# Allegro board F407_PACK_V10A.brd (continued)
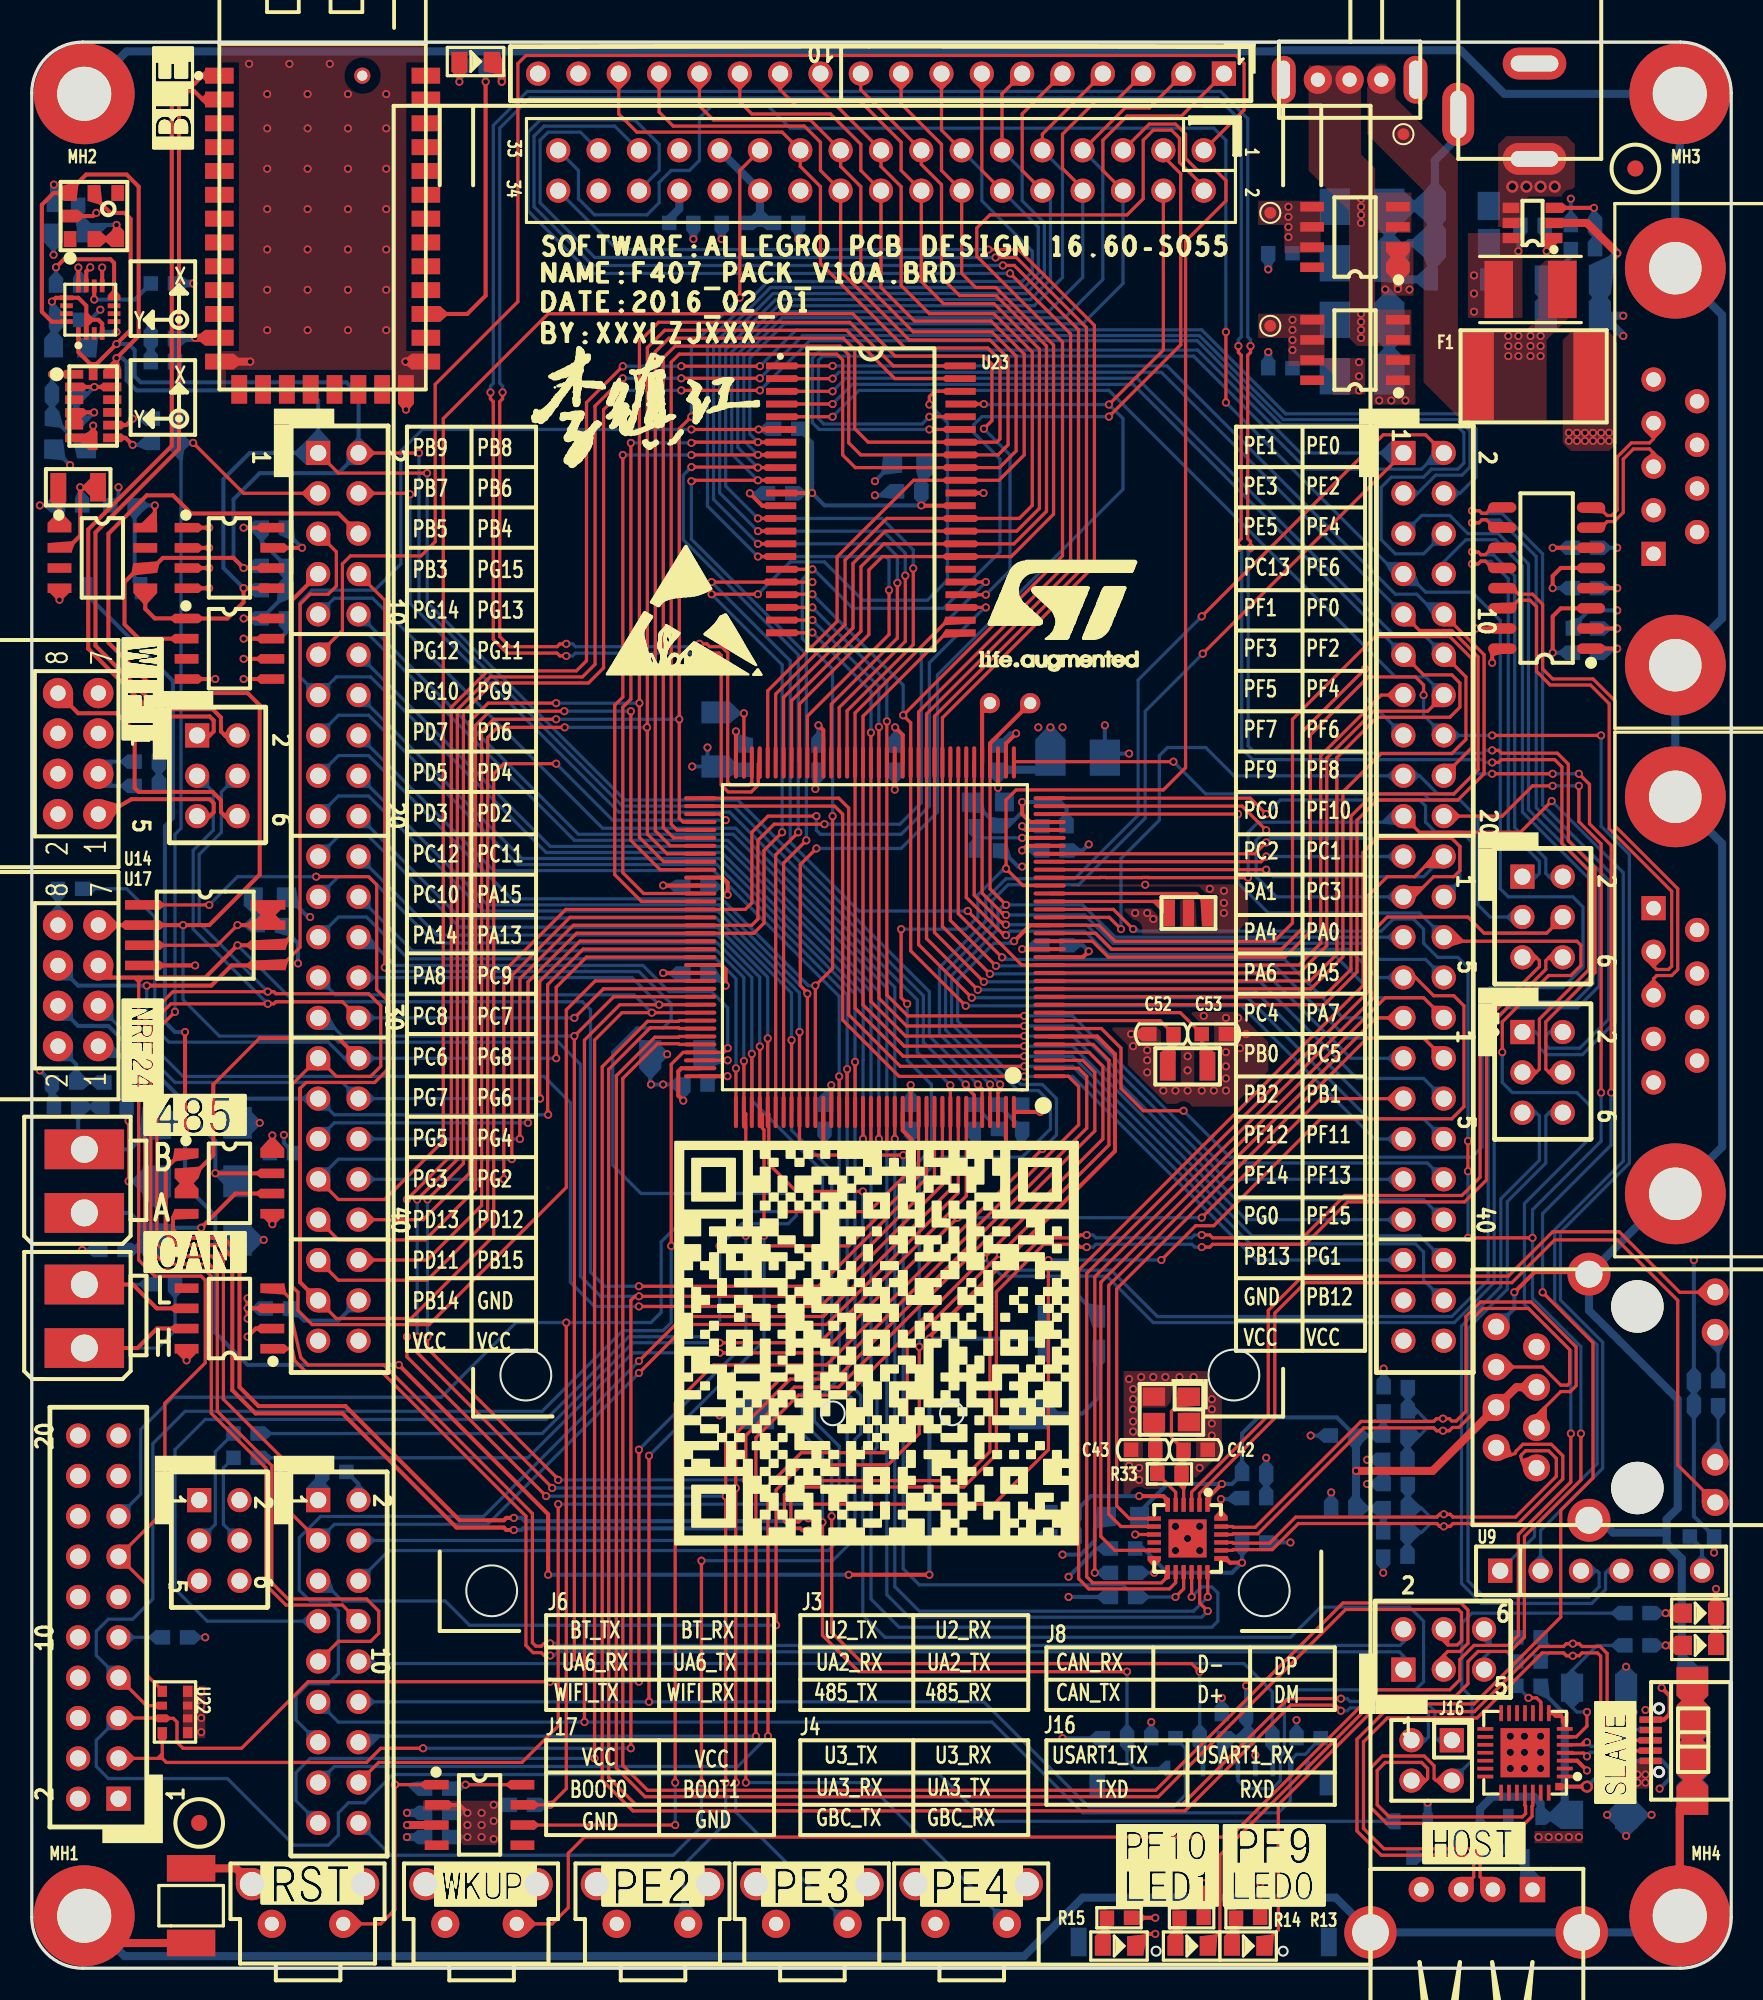
[diagram p0: board, top side]
## Routing (per net, layer and track width the routed paths; a pad name or vN(x,y) marks a point on that pad's centre or on a via; arc(x,y) is an arc through that point) (continued)
DCMI_D5: length 132.4
  TOP w0.203: J12.4 23.87,92.84 23.81,92.78 v1(23.81,92.77) ; v1(38.23,38.22) 41.03,41.02 49.84,41.02 57.84,49.02 v1(57.84,55.58)
  BOTTOM w0.203: v1(57.84,55.58) 55.75,57.66 55.75,60.96 43.94,72.77 36.96,72.77 23.81,85.92 v1(23.81,92.77) ; J14.13 16.64,15.62 16.64,17.14 17.4,17.91 18.67,17.91 19.3,18.54 19.3,22.48 18.67,23.11 17.53,23.11 16.84,23.8 16.84,27.1 18.18,28.44 28.45,28.44 v1(38.23,38.22)
DCMI_D6: length 178.8
  TOP w0.203: v1(45.59,14.61) 45.59,33.4 48.26,36.07 51.31,36.07 v1(59.94,44.7) 67.44,52.2 67.44,56.77 66.56,57.65 U21.4
  BOTTOM w0.203: v1(45.59,14.61) 20.95,14.61 J14.14 ; J10.5 87.5,91.44 89.28,91.44 90.42,90.3 92.33,90.3 94.23,88.39 94.23,72.93 98.68,68.48 98.68,61.82 97.31,60.45 92.87,60.45 92.08,59.66 92.08,43.15 89.57,40.64 70.61,40.64 67.69,43.56 61.09,43.56 v1(59.94,44.7)
DCMI_D7: length 180.6
  TOP w0.203: v1(46.35,14.61) 46.35,30.35 48.45,32.45 53.66,32.45 55.12,33.91 55.12,39.12 v1(60.96,44.96) 67.82,51.82 67.82,57.15 66.82,58.15 U21.5
  BOTTOM w0.203: J14.15 19.05,12.7 44.45,12.7 v1(46.35,14.61) ; J10.8 88.9,88.52 90.3,89.92 92.17,89.92 93.85,88.23 93.85,72.77 98.3,68.33 98.3,61.98 97.16,60.83 92.71,60.83 91.69,59.82 91.69,43.31 89.41,41.02 70.87,41.02 67.94,43.94 61.98,43.94 v1(60.96,44.96)
DCMI_HREF: length 133.5
  TOP w0.203: U21.40 60.34,67.93 v1(61.34,66.93) ; v1(55.88,39.12) 55.88,33.66 53.91,31.69 48.45,31.69 46.86,30.1 v1(46.86,21.59)
  TOP w0.254: J18.1 60.34,77.1 U21.40
  BOTTOM w0.203: v1(46.86,21.59) 27.56,21.59 26.04,23.11 19.56,23.11 18.29,24.38 J14.5 ; 86.36,64.9 68.2,64.9 66.17,66.93 v1(61.34,66.93) 61.21,66.93 60.83,66.55 60.83,65.41 57.91,62.48 57.91,59.44 62.1,55.24 63.37,55.24 64.14,54.48 64.14,52.83 62.81,51.51 62.81,51.5 62.55,51.23 62.53,51.23 62.36,51.05 57.28,51.05 55.88,49.66 v1(55.88,39.12)
DCMI_PCLK: length 150.8
  TOP w0.203: v1(33.15,29.21) 33.15,15.24 30.86,12.95 21.84,12.95 J14.16 ; v1(64.01,44.58) 64.01,32.64 60.58,29.21 v1(48.9,29.21) ; v1(71.12,44.58) 73.28,46.74 74.42,46.74 81.15,53.47 89.41,53.47 90.17,54.23 90.17,60.58 89.53,61.21 88.27,61.21 87.12,62.36 J10.27 ; v1(61.34,65.68) 61.19,65.68 59.34,67.54 U21.42
  BOTTOM w0.203: v1(61.34,65.68) 66.4,65.68 67.94,64.14 82.93,64.14 84.71,62.36 J10.27 ; v1(33.15,29.21) v1(48.9,29.21) ; v1(64.01,44.58) v1(71.12,44.58)
DCMI_PWDN: length 126.9
  TOP w0.203: v1(42.16,11.68) v1(42.16,25.65) ; 51.84,53.9 v1(51.84,57.05)
  BOTTOM w0.203: J12.14 30.86,69.85 43.31,69.85 51.84,61.32 v1(51.84,57.05) 51.84,36.43 52.2,36.07 52.2,33.66 51.84,33.29 51.84,27.07 50.42,25.65 v1(42.16,25.65) ; v1(42.16,11.68) 42.16,8.89 40.39,7.11 22.61,7.11 J14.18
DCMI_RESET: length 155.4
  TOP w0.203: v1(43.31,45.47) 51.44,45.47 55.84,49.87 55.84,53.9 ; J12.8 22.23,86.11 v1(22.23,62.99)
  BOTTOM w0.203: v1(22.23,62.99) 22.48,62.74 38.23,62.74 40.26,60.71 40.26,59.69 39.75,59.18 38.1,59.18 36.58,57.66 36.58,50.55 38.35,48.77 47.62,48.77 48.13,48.26 48.13,47.37 47.62,46.86 44.7,46.86 v1(43.31,45.47) 43.31,40.77 42.29,39.75 37.59,39.75 32.38,34.54 10.92,34.54 9.02,32.64 9.02,23.88 11.05,21.84 J14.7
DCMI_SCL: length 104.7
  TOP w0.203: 50.84,53.9 v1(50.84,56.13)
  BOTTOM w0.203: J12.16 29.08,69.09 42.93,69.09 43.99,68.02 44,68.02 44.27,67.75 44.27,67.74 50.84,61.18 v1(50.84,56.13) 50.84,37.12 49.28,35.56 49.28,34.42 50.84,32.86 50.84,27.69 50.07,26.92 J14.4
DCMI_SDA: length 109.9
  TOP w0.203: 51.34,53.9 v1(51.34,56.59)
  BOTTOM w0.203: J14.6 22.48,26.29 50.15,26.29 51.34,27.48 51.34,33.68 51.69,34.04 51.69,35.81 51.34,36.17 v1(51.34,56.59) 51.34,61.26 43.13,69.47 30.61,69.47 21.21,78.87 19.3,78.87 J12.15
DCMI_XCLK: length 97.4
  TOP w0.203: v1(35.43,13.21) 35.43,58.42 37.16,60.15 v1(39.04,60.15) U21.100
  BOTTOM w0.203: v1(39.04,60.15) 37.92,61.26 19.13,61.26 J12.27 ; J14.17 16.64,10.54 16.64,12.32 17.53,13.21 v1(35.43,13.21)
ETH_MDC: length 87.2
  TOP w0.203: J10.22 88.34,69.98 87.07,68.71 85.34,68.71 84.2,67.56 84.2,61.51 66.42,43.73 66.42,24.64 66.8,24.26 71.12,24.26 71.52,24.66 71.52,24.95 ; U21.27 v1(77.72,69.15)
  BOTTOM w0.203: v1(77.72,69.15) 78.16,68.71 87.63,68.71 J10.22
ETH_MDIO: length 102.3
  TOP w0.203: U21.36 76.72,73.65 v1(77.72,72.64) ; 96.39,66.17 95.38,65.15 91.44,65.15 90.42,66.17 85.34,66.17 84.58,65.41 84.58,61.17 66.93,43.52 v1(66.93,24.89)
  BOTTOM w0.203: R37.2 v1(66.93,24.89) ; 96.39,66.17 95.38,65.15 91.44,65.15 90.68,65.91 90.68,70.87 90.04,71.5 88.39,71.5 87.76,72.14 87.76,73.15 87.38,73.53 78.61,73.53 v1(77.72,72.64)
ETH_RST: length 98
  TOP w0.203: 72.52,24.95 72.52,23.88 v1(72.01,23.37) ; v1(54.86,51.18) 49.02,51.18 48.34,51.87 v1(48.34,58.93)
  BOTTOM w0.203: v1(48.34,58.93) 48.34,61.39 43.18,66.55 28.45,66.55 21.21,73.79 19.3,73.79 J12.19 ; v1(72.01,23.37) R36.1 68.71,24.13 55.88,24.13 54.86,25.15 v1(54.86,51.18)
FSMC_A0: length 98.3
  TOP w0.203: J10.10 91.44,82.68 91.44,75.18 89.79,73.53 84.71,73.53 83.44,72.26 83.44,62.71 81.38,60.65 U21.10 ; U23.1 v1(50.42,100.86)
  BOTTOM w0.203: v1(50.42,100.86) 71.48,100.86 85.85,86.49 87.2,86.49 88.47,85.22 J10.10
FSMC_A1: length 97.1
  TOP w0.203: U23.2 v1(50.42,100.06) ; J10.9 87.38,84.2 89.41,84.2 91.06,82.55 91.06,75.44 89.53,73.91 84.45,73.91 83.06,72.52 83.06,62.87 81.34,61.15 U21.11
  BOTTOM w0.203: v1(50.42,100.06) 50.82,100.46 71.12,100.46 J10.9
FSMC_A2: length 94
  TOP w0.203: U21.12 80.54,61.65 82.55,63.66 82.55,74.04 84.96,76.45 89.41,76.45 90.3,77.34 90.3,81.28 J10.12 ; U23.3 v1(50.42,99.26)
  BOTTOM w0.203: J10.12 87.63,83.95 85.72,83.95 69.6,100.08 51.24,100.08 v1(50.42,99.26)
FSMC_A3: length 92.8
  TOP w0.203: J10.11 87.63,81.41 89.41,81.41 89.92,80.9 89.92,79.38 89.28,78.74 84.71,78.74 82.17,76.2 82.17,63.82 80.5,62.15 U21.13 ; U23.4 v1(50.42,98.46)
  BOTTOM w0.203: J10.11 69.34,99.69 51.66,99.69 v1(50.42,98.46)
FSMC_A4: length 89.3
  TOP w0.203: U21.14 79.82,62.65 81.53,64.36 81.53,76.17 84.49,79.12 87.88,79.12 J10.14 ; U23.5 v1(50.42,97.66)
  BOTTOM w0.203: v1(50.42,97.66) 52.08,99.31 67.82,99.31 85.85,81.28 87.76,81.28 J10.14
FSMC_A5: length 80.6
  TOP w0.203: v1(58.93,66.55) 62.33,63.15 U21.15 79.78,63.15 81.15,64.52 81.15,76.33 84.96,80.14 J10.13 ; v1(49.15,87.25) 47.19,87.25 U23.18 47.17,87.25 v1(42.8,87.25)
  BOTTOM w0.203: v1(58.93,66.55) 52.07,66.55 47.75,70.87 47.75,82.3 v1(42.8,87.25)
FSMC_A6: length 121.6
  TOP w0.203: J15.2 73.79,112.14 72.26,113.67 72.26,115.19 71.75,115.7 70.61,115.7 69.98,115.06 69.98,111.38 68.96,110.36 60.33,110.36 59.5,109.54 59.5,107.76 64.9,102.36 64.9,88.9 v1(54.86,78.87) 55.34,78.39 U21.50 55.34,64.04 v1(58.8,60.58) ; U23.19 47.21,86.49 v1(49.15,86.49)
  BOTTOM w0.203: J10.35 84.55,52.2 76.16,60.58 v1(58.8,60.58) ; v1(49.15,86.49) 54.86,80.77 v1(54.86,78.87)
FSMC_A7: length 68.2
  TOP w0.203: v1(53.84,78.49) U21.53 53.84,61.26 55.15,59.94 v1(62.48,59.94) ; v1(49.15,85.66) U23.20
  BOTTOM w0.203: v1(62.48,59.94) 65.53,59.94 74.79,50.69 87.87,50.69 J10.38 ; v1(49.15,85.66) 53.84,80.97 v1(53.84,78.49)
FSMC_A8: length 65.2
  TOP w0.203: v1(62.48,59.31) 55.08,59.31 53.34,61.05 U21.54 v1(53.34,78.13) ; v1(49.15,84.86) U23.21
  BOTTOM w0.203: v1(62.48,59.31) 65.53,59.31 75.18,49.66 J10.37 ; v1(49.15,84.86) 53.34,80.67 v1(53.34,78.13)
FSMC_A9: length 68.5
  TOP w0.203: U23.22 49.13,84.06 v1(49.15,84.07) ; v1(52.84,77.77) U21.55 52.84,60.85 55.01,58.67 v1(62.48,58.67)
  BOTTOM w0.203: v1(49.15,84.07) 52.84,80.39 v1(52.84,77.77) ; v1(62.48,58.67) 65.53,58.67 75.82,48.39 87.63,48.39 J10.40
FSMC_A10: length 66.1
  TOP w0.203: U23.23 57.59,84.06 52.34,78.81 U21.56 52.34,60.64 54.94,58.04 v1(62.48,58.04)
  BOTTOM w0.203: v1(62.48,58.04) 65.53,58.04 76.45,47.12 J10.39
FSMC_A11: length 71.3
  TOP w0.203: v1(62.48,57.4) 54.86,57.4 51.84,60.43 U21.57 51.84,79.01 57.68,84.86 U23.24
  BOTTOM w0.203: v1(62.48,57.4) 65.53,57.4 76.83,46.1 87.38,46.1 J10.42
FSMC_A12: length 73
  TOP w0.203: v1(49.4,72.52) 46.35,72.52 45.34,71.5 45.34,67.06 44.93,66.65 U21.87 33.63,66.65 29.72,62.74 v1(29.72,49.66) ; U23.25 v1(60.07,85.66)
  BOTTOM w0.203: v1(60.07,85.66) 60,85.66 56.52,82.17 56.52,73.15 54.74,71.37 49.66,71.37 49.4,71.63 v1(49.4,72.52) ; v1(29.72,49.66) J12.38
FSMC_A13: length 149.3
  TOP w0.203: J12.37 19.3,48.39 22.23,48.39 25.91,52.07 25.91,97.54 32.51,104.14 51.69,104.14 54.36,101.47 59.94,101.47 60.45,100.97 60.45,97.41 v1(59.94,96.9) ; v1(30.23,50.93) 30.23,62.48 33.89,66.15 U21.88 ; U23.26 v1(60.07,86.46)
  BOTTOM w0.203: J12.37 19.3,50.93 v1(30.23,50.93) ; v1(60.07,86.46) 61.59,87.98 61.59,95.25 v1(59.94,96.9)
FSMC_A14: length 70.2
  TOP w0.203: v1(49.91,72.01) 46.74,72.01 45.72,70.99 45.72,66.04 45.33,65.65 U21.89 34.1,65.65 30.73,62.28 v1(30.73,52.2) ; U23.27 v1(60.07,87.26)
  BOTTOM w0.203: v1(30.73,52.2) J12.36 ; v1(49.91,72.01) 54.65,72.01 56.01,73.36 56.01,83.19 v1(60.07,87.26)
FSMC_A15: length 93.3
  TOP w0.203: U23.42 56.84,99.26 56.52,98.93 v1(56.52,98.42) ; v1(45.72,86.49) v1(42.8,86.49) ; v1(47.24,71.5) 46.1,70.36 46.1,65.79 45.46,65.15 U21.90 34.3,65.15 31.24,62.09 v1(31.24,53.21)
  BOTTOM w0.203: v1(42.8,86.49) 47.24,82.04 v1(47.24,71.5) ; v1(45.72,86.49) 47.75,88.52 49.91,88.52 52.32,86.11 56.39,86.11 57.66,87.38 57.66,97.28 v1(56.52,98.42) ; J12.35 19.05,53.21 v1(31.24,53.21)
FSMC_A16: length 109.3
  TOP w0.203: v1(33.55,78.11) 29.34,78.11 28.7,77.47 28.7,47.12 24.89,43.31 19.3,43.31 J12.41 ; U21.80 40,70.15 38.76,71.39 38.76,78.08 v1(38.73,78.11) 38.76,78.13 38.76,102 39.85,103.1 51.29,103.1 54.34,100.06 U23.43
  BOTTOM w0.203: v1(33.55,78.11) v1(38.73,78.11)
FSMC_A17: length 105.3
  TOP w0.203: U21.81 39.79,69.65 38.26,71.18 v1(38.26,79.63) 38.26,102.39 39.47,103.6 51.5,103.6 54.25,100.86 U23.44 ; v1(33.02,79.63) 28.73,79.63 27.56,78.46 27.56,50.04 24.64,47.12 J12.40
  BOTTOM w0.203: v1(38.26,79.63) v1(33.02,79.63)
FSMC_A18: length 64.4
  TOP w0.203: v1(37.72,79.12) 37.72,70.99 39.56,69.15 U21.82 ; v1(33.53,79.12) 28.83,79.12 27.94,78.23 27.94,49.02 24.77,45.85 19.3,45.85 J12.39
  BOTTOM w0.203: v1(33.53,79.12) v1(37.72,79.12)
FSMC_D0: length 92
  TOP w0.203: J13.1 72.39,116.59 68.96,116.59 67.44,115.06 67.44,113.16 J15.6 ; v1(37.72,96.01) 37.72,79.88 37.21,79.37 37.21,68.96 38.52,67.65 U21.85 ; U23.7 v1(45.72,96.06) 41.57,96.06 v1(41.53,96.01)
  BOTTOM w0.203: J15.6 68.71,106.05 66.17,103.5 47.37,103.5 45.21,101.35 45.21,96.56 v1(45.72,96.06) ; v1(37.72,96.01) v1(41.53,96.01)
FSMC_D1: length 90.9
  TOP w0.203: J13.2 70.36,117.09 68.83,117.09 J15.7 ; v1(41.53,95.25) 41.53,95.26 v1(45.72,95.26) U23.8 ; U21.86 38.39,67.15 36.7,68.83 36.7,79.5 37.21,80.01 v1(37.21,95.25)
  BOTTOM w0.203: J15.7 67.44,113.16 67.44,106.3 65.02,103.89 47.24,103.89 44.83,101.47 44.83,96.14 v1(45.72,95.26) ; v1(37.21,95.25) v1(41.53,95.25)
FSMC_D2: length 97.6
  TOP w0.203: J15.8 66.17,112.01 64.9,113.28 64.9,115.44 67.06,117.6 68.33,117.6 J13.3 ; v1(41.53,94.49) 45.69,94.49 v1(45.72,94.46) U23.9 ; v1(48.26,71.5) 46.84,70.08 46.84,53.9
  BOTTOM w0.203: v1(48.26,71.5) 48.26,82.68 41.02,89.92 41.02,93.98 v1(41.53,94.49) ; v1(45.72,94.46) 44.45,95.73 44.45,101.6 47.12,104.27 64.01,104.27 66.17,106.43 J15.8
FSMC_D3: length 95.4
  TOP w0.203: v1(41.53,93.6) 41.59,93.66 v1(45.72,93.66) U23.10 ; J13.4 63.63,115.44 J15.9 ; v1(48.77,70.99) 47.34,69.56 47.34,53.9
  BOTTOM w0.203: v1(41.53,93.6) 41.53,89.95 48.77,82.71 v1(48.77,70.99) ; v1(45.72,93.66) 44.07,95.31 44.07,101.73 46.99,104.65 63.12,104.65 64.9,106.43 64.9,113.16 J15.9
FSMC_D4: length 75.7
  TOP w0.203: v1(55.5,88.11) 55.5,83.31 51.34,79.15 U21.58 ; J13.5 62.36,116.71 62.36,113.16 J15.10 ; U23.13 v1(45.72,91.26)
  BOTTOM w0.203: J15.10 64.14,111.38 64.14,106.3 62.87,105.03 46.83,105.03 43.69,101.89 43.69,93.29 v1(45.72,91.26) 53.52,91.26 55.5,89.28 v1(55.5,88.11)
FSMC_D5: length 75.4
  TOP w0.203: v1(55,87.66) 55,83.52 50.84,79.36 U21.59 ; U23.14 v1(45.72,90.46) ; J13.6 61.09,117.98 J15.11
  BOTTOM w0.203: v1(55,87.66) 55,89.07 53.61,90.46 v1(45.72,90.46) 43.31,92.87 43.31,102.05 46.67,105.41 62.61,105.41 63.75,106.55 63.75,109.86 62.36,111.25 62.36,113.16 J15.11
FSMC_D6: length 75.3
  TOP w0.203: U21.60 50.34,79.56 54.5,83.73 v1(54.5,87.2) ; U23.15 v1(45.72,89.66) ; J15.12 59.82,113.16 J13.7
  BOTTOM w0.203: J15.12 63.37,109.6 63.37,106.68 62.48,105.79 46.51,105.79 42.93,102.2 42.93,92.45 v1(45.72,89.66) 53.71,89.66 54.5,88.86 v1(54.5,87.2)
FSMC_D7: length 76.6
  TOP w0.203: U21.63 48.84,78.81 53.98,83.95 v1(53.98,86.74) ; J15.13 57.28,115.7 J13.8 ; U23.16 v1(45.72,88.86)
  BOTTOM w0.203: J15.13 59.82,113.16 59.82,111.25 62.99,108.08 62.99,106.81 62.36,106.17 46.35,106.17 42.55,102.36 42.55,92.03 v1(45.72,88.86) 53.77,88.86 53.98,88.65 v1(53.98,86.74)
FSMC_D8: length 59.5
  TOP w0.203: U21.64 48.34,79.58 52.7,83.95 52.7,88.01 53.55,88.86 U23.29 61.67,88.86 64.33,91.52 64.33,102.17 60.71,105.79 59.44,105.79 58.55,106.68 J15.14 57.28,113.16 57.28,114.81 54.74,117.35 J13.9
FSMC_D9: length 61
  TOP w0.203: U21.65 47.84,79.79 52.2,84.15 52.2,88.22 53.64,89.66 U23.30 61.84,89.66 63.89,91.7 63.89,102.1 60.71,105.28 58.42,105.28 57.28,106.43 57.28,112.27 56.01,113.54 J15.15 52.2,118.24 J13.10
FSMC_D10: length 63.5
  TOP w0.203: U21.66 47.34,79.99 51.7,84.36 51.7,88.43 53.74,90.46 U23.31 62.01,90.46 63.44,91.89 63.44,101.91 60.58,104.78 57.4,104.78 56.01,106.17 J15.16 54.74,113.16 54.74,114.94 52.07,117.6 50.29,117.6 49.66,118.24 J13.11
FSMC_D11: length 65.4
  TOP w0.203: 47.12,119.25 47.12,118.24 48.13,117.22 50.67,117.22 J15.17 53.47,113.41 54.74,112.14 54.74,105.92 56.52,104.14 60.58,104.14 62.99,101.73 62.99,92.08 62.17,91.26 U23.32 53.83,91.26 51.2,88.63 51.2,84.57 46.84,80.2 U21.67
FSMC_D12: length 66.3
  TOP w0.203: U21.68 46.34,80.41 50.7,84.78 50.7,88.84 55.52,93.66 U23.35 60.89,93.66 62.48,95.25 62.48,101.6 60.4,103.68 55.58,103.68 53.47,105.79 J15.18 52.2,113.16 52.2,114.81 50.29,116.71 45.34,116.71 44.58,117.47 J13.13
FSMC_D13: length 98.4
  TOP w0.203: U21.77 40.62,71.65 40.26,72.01 40.26,101.09 40.77,101.6 50.68,101.6 51.05,101.23 51.05,95.25 51.85,94.46 U23.36 60.93,94.46 61.98,95.5 61.98,101.47 60.45,103 55.5,103 52.2,106.3 52.2,112.14 50.93,113.41 J15.19 49.02,116.33 42.93,116.33 42.04,117.22 J13.14
FSMC_D14: length 100.8
  TOP w0.203: J13.15 39.5,116.84 40.39,115.95 48.64,115.95 49.66,114.94 49.66,113.16 J15.20 50.93,106.81 55.24,102.49 60.33,102.49 61.47,101.35 61.47,95.88 60.84,95.26 U23.37 52.19,95.26 51.44,96.01 51.44,101.55 50.89,102.1 40.51,102.1 39.76,101.35 39.76,71.8 40.41,71.15 U21.78
FSMC_D15: length 102.5
  TOP w0.203: U21.79 40.21,70.65 39.26,71.59 39.26,101.74 40.12,102.6 51.1,102.6 51.82,101.88 51.82,96.9 52.66,96.06 U23.38 60.76,96.06 60.96,96.26 60.96,101.22 60.2,101.98 54.99,101.98 49.66,107.31 49.66,112.14 48.39,113.41 J15.21 47.24,115.57 38.1,115.57 36.96,116.71 J13.16
FSMC_NBL0: length 118.1
  TOP w0.203: 60.34,53.9 v1(60.34,55.63) ; J10.2 87.76,96.52 85.09,96.52 v1(73.66,85.09) ; U23.40 v1(56.52,97.66)
  BOTTOM w0.203: J10.2 88.52,95.38 87.5,94.36 80.26,94.36 73.15,101.47 49.78,101.47 49.53,101.22 49.53,97.54 49.87,97.2 56.05,97.2 56.51,97.66 v1(56.52,97.66) ; v1(60.34,55.63) 57.15,58.81 57.15,62.99 60.07,65.91 60.07,67.31 61.34,68.58 65.66,68.58 69.66,72.58 69.66,81.08 v1(73.66,85.09)
FSMC_NBL1: length 111.2
  TOP w0.203: 60.84,53.9 60.84,55.12 60.97,55.25 v1(60.97,55.63) ; U23.39 v1(56.52,96.86) ; v1(73.72,82.74) J10.1
  BOTTOM w0.203: J10.1 79.88,95.38 73.41,101.85 49.66,101.85 49.15,101.35 49.15,97.28 49.58,96.86 v1(56.52,96.86) ; v1(73.72,82.74) 70.1,79.12 70.1,72.39 65.91,68.2 61.47,68.2 60.45,67.18 60.45,65.66 57.53,62.74 57.53,59.07 60.51,56.08 60.53,56.08 60.79,55.82 60.79,55.8 v1(60.97,55.63)
FSMC_NE3: length 100.1
  TOP w0.203: v1(41.53,96.86) v1(45.77,96.86) ; 52.34,53.9 v1(52.34,52.2)
  TOP w0.254: U23.6 v1(45.77,96.86)
  BOTTOM w0.203: v1(41.53,96.86) 24.59,96.86 23.24,95.5 23.24,88.39 21.59,86.74 17.65,86.74 16.89,85.98 16.89,81.28 J12.13 19.18,81.28 21.34,81.28 32.38,70.23 43.43,70.23 52.35,61.32 52.35,57.16 52.34,57.15 v1(52.34,52.2)
  BOTTOM w0.254: v1(45.77,96.86) 46.69,96.86 R41.2
FSMC_NE4: length 153.8
  TOP w0.203: J12.11 19.56,84.2 19.56,88.39 20.07,88.9 24.51,88.9 25.4,89.79 25.4,99.69 30.61,104.9 30.61,119.89 31.11,120.4 75.82,120.4 76.33,119.89 76.33,116.97 J15.1 ; 53.34,53.9 v1(53.34,52.2)
  BOTTOM w0.203: J12.11 19.3,83.95 21.21,83.95 34.16,70.99 43.81,70.99 53.34,61.47 v1(53.34,52.2)
FSMC_NOE: length 114.9
  TOP w0.203: v1(67.82,98.42) 71.25,101.85 J15.4 ; 48.84,53.9 v1(48.84,61.34) 48.84,61.4 48.39,61.85 48.39,69.47 v1(49.4,70.48) ; U23.41 v1(59.94,98.46)
  BOTTOM w0.203: J12.18 28.7,66.93 43.31,66.93 48.84,61.4 v1(48.84,61.34) ; v1(59.94,98.46) 59.94,98.42 v1(67.82,98.42) 68.71,97.54 68.71,93.09 57.02,81.41 57.02,72.77 54.74,70.48 v1(49.4,70.48)
FSMC_NWE: length 126.2
  TOP w0.203: J15.3 71.25,114.05 72.34,112.95 72.34,102.18 v1(67.82,97.66) ; v1(50.42,72.52) 50.42,62.93 v1(49.34,61.85) 49.34,53.9 ; v1(49.15,88.06) U23.17
  BOTTOM w0.203: J12.17 19.3,76.33 21.21,76.33 30.23,67.31 43.42,67.31 43.63,67.11 43.64,67.11 48.9,61.85 v1(49.34,61.85) ; v1(67.82,97.66) 59.82,97.66 59.31,97.16 59.31,96.65 60.96,95 60.96,89.15 57.4,85.6 51.69,85.6 49.23,88.06 v1(49.15,88.06) 48.51,87.42 48.51,83.69 50.42,81.79 v1(50.42,72.52)
GBC_KEY: length 110.2
  TOP w0.203: U21.18 66.78,64.65 67.78,63.64 78.9,63.64 80.5,65.24 80.5,77.64 84.15,81.28 87.12,81.28 87.63,80.77 v1(87.63,80.14) ; v1(98.81,77.6) v1(91.95,77.6)
  BOTTOM w0.203: v1(98.81,77.6) 98.81,71.88 100.58,70.1 100.58,50.67 96.24,46.33 96.24,42.06 98.91,39.39 98.91,31.47 95,27.56 U9.2 ; v1(91.95,77.6) J10.16 87.63,78.87 v1(87.63,80.14)
GBC_LED: length 91.9
  TOP w0.203: J10.19 87.38,71.5 93.73,71.5 v1(95.69,73.47) ; v1(76.58,68.65) 70.3,68.65 70.29,68.66 69.91,68.66 69.91,68.65 67.64,68.65 67.63,68.66 67.25,68.66 67.24,68.65 U21.26
  BOTTOM w0.203: v1(76.58,68.65) 76.58,71.5 77.22,72.14 85.98,72.14 J10.19 ; v1(95.69,73.47) 100.2,68.96 100.2,50.8 95.89,46.48 95.89,41.91 98.55,39.24 98.55,31.75 94.61,27.81 94.61,27.18 U9.1
GBC_RX: length 43.5
  BOTTOM w0.203: J4.6 95.53,53.85 95.33,53.64 95.33,50.68 92.9,48.26 92.9,42.74 90.42,40.26 90.42,24.38 91.44,23.37 98.04,23.37 98.68,24 98.68,24.89 98.55,25.02 U9.3
GBC_TX: length 44.7
  BOTTOM w0.203: J4.5 94.72,53.85 94.92,53.64 94.92,50.85 92.49,48.43 92.49,42.9 90.02,40.43 90.02,24.22 91.27,22.96 98.21,22.96 99.09,23.83 99.09,24.89 99.21,25.02 U9.4
IIC_SCL: length 133.3
  TOP w0.203: v1(58.8,55.63) 58.8,55.5 59.34,54.96 59.34,53.9 ; J12.2 v1(24.38,95.38)
  TOP w0.254: 3.87,100.77 v1(5.33,102.24) 6.22,103.12 6.22,110.11 5.84,110.49 4.95,110.49 3.91,111.53 U19.5 ; 3.87,100.77 U16.14 ; 3.87,100.77 3.87,100.79 2.93,101.73 U18.1 ; U8.6 13.82,88.13 13.82,88.14 v1(13.34,88.14) 12.7,88.77 8.26,88.77 7.62,88.13 6.73,88.13 5.84,87.25 5.84,84.58 6.74,83.69 U12.2
  BOTTOM w0.203: v1(58.8,55.63) 56.13,58.29 56.13,61.21 44.2,73.15 37.18,73.15 24.38,85.95 v1(24.38,95.38)
  BOTTOM w0.254: R8.1 14.35,88.14 v1(13.34,88.14) 12.7,88.77 12.7,92.46 14.35,94.11 19.3,94.11 J12.2 20.57,99.06 19.81,99.82 6.86,99.82 6.48,100.2 6.48,101.85 6.1,102.24 v1(5.33,102.24)
IIC_SDA: length 138.4
  TOP w0.203: v1(24.89,94.11) 19.3,94.11 J12.1 ; 59.84,53.9 59.84,55.35 v1(59.56,55.63)
  TOP w0.254: 7.14,86.86 7.14,85.56 7.75,84.96 9.74,84.96 U12.1 12.31,84.96 13.34,85.98 v1(13.34,86.87) 13.82,86.87 13.82,86.86 U8.5 ; U16.13 5.33,100.6 v1(5.33,101.35) 6.73,102.74 6.73,112.14 5.97,112.9 3.43,112.9 2.41,111.89 U19.6 1.38,111.74 0.64,111 0.64,104.27 1.27,103.63 2.17,103.63 U18.16
  BOTTOM w0.203: v1(24.89,94.11) 24.89,85.98 37.34,73.53 44.45,73.53 56.52,61.47 56.52,58.67 v1(59.56,55.63)
  BOTTOM w0.254: v1(5.33,101.35) 5.71,101.35 5.97,101.09 5.97,99.95 6.6,99.31 17.4,99.31 18.03,98.68 J12.1 13.72,95.38 12.06,93.73 12.06,88.14 v1(13.34,86.87) 14.35,86.87 R9.1
JTAG_TCK: length 36.8
  TOP w0.203: 44.34,53.9 v1(44.34,56.64)
  BOTTOM w0.203: 18.03,64.9 19.3,66.17 21.08,66.17 23.72,63.53 43.09,63.53 44.34,62.29 v1(44.34,56.64)
JTAG_TCLK: length 2.8
  BOTTOM w0.203: 5.46,20.83 8.26,20.83
JTAG_TMS: length 104.8
  TOP w0.203: 5.46,18.29 7.22,16.53 U22.2 ; v1(43.81,57.91) 43.55,57.65 U21.105 41.01,57.65 40.26,56.9 v1(40.26,45.47)
  BOTTOM w0.203: 5.46,18.29 4.06,19.68 4.06,21.21 4.83,21.97 6.35,21.97 7.62,23.24 7.62,33.02 9.65,35.05 32.13,35.05 37.21,40.13 39.75,40.13 40.26,40.64 v1(40.26,45.47) ; v1(43.81,57.91) 43.81,60.45 42.8,61.47 40.13,61.47 38.48,63.12 22.86,63.12 21.08,64.9 20.57,64.9
KEY0: length 243.7
  TOP w0.203: v1(33.15,30.73) 33.15,30.79 24.92,39.02 v1(24.92,39.75) ; v1(45.85,99.31) v1(40.89,99.31) ; v1(44.96,11.68) v1(44.96,30.73) 44.96,33.53 48.01,36.58 50.8,36.58 66.93,52.7 66.93,56.39 66.17,57.15 U21.3 ; v1(37.21,99.31) 36,98.11 36,81.85 35.05,80.9 29.02,80.9 27.18,79.06 27.18,50.65 v1(24.92,48.39)
  BOTTOM w0.203: v1(44.96,30.73) v1(33.15,30.73) ; v1(24.92,48.39) v1(24.92,39.75) ; J10.6 87.63,89.03 85.85,89.03 84.96,89.92 84.96,93.22 85.6,93.85 87.63,93.85 88.14,94.36 89.79,94.36 90.17,94.74 90.17,96.65 89.66,97.16 78.67,97.16 73.38,102.44 48.98,102.44 v1(45.85,99.31) ; v1(44.96,11.68) 52.58,11.68 61.4,2.87 SW3.3 ; v1(40.89,99.31) v1(37.21,99.31)
KEY1: length 227.4
  TOP w0.203: v1(45.85,100.08) v1(40.89,100.08) ; v1(24.27,48.39) 26.8,50.92 26.8,79.22 28.86,81.28 34.67,81.28 35.46,82.07 35.46,98.33 v1(37.21,100.08) ; v1(44.32,11.68) v1(44.32,30.23) 44.32,33.66 47.75,37.08 50.63,37.08 66.42,52.88 66.42,56.13 65.91,56.65 U21.2 ; v1(24.27,39.75) 24.27,38.75 32.77,30.25 v1(32.77,30.23)
  BOTTOM w0.203: J10.3 87.25,92.84 88.39,93.98 90.04,93.98 90.55,94.49 90.55,96.77 89.85,97.48 78.8,97.48 73.51,102.76 48.54,102.76 v1(45.85,100.08) ; SW4.3 44.32,9.83 v1(44.32,11.68) ; v1(44.32,30.23) v1(32.77,30.23) ; v1(40.89,100.08) v1(37.21,100.08) ; v1(24.27,48.39) v1(24.27,39.75)
KEY2: length 224.6
  TOP w0.203: v1(32.38,29.72) 23.62,38.48 v1(23.62,39.75) ; v1(45.85,100.84) v1(40.89,100.84) ; U21.1 65.27,56.15 65.91,55.5 65.91,53.09 50.29,37.47 47.5,37.47 43.69,33.66 v1(43.69,29.72) v1(43.69,11.68) ; v1(23.62,48.39) 26.42,51.18 26.42,79.38 28.7,81.66 34.29,81.66 34.92,82.3 34.92,98.55 v1(37.21,100.84)
  BOTTOM w0.203: v1(45.85,100.84) 48.13,103.12 73.66,103.12 78.95,97.84 90,97.84 90.93,96.9 90.93,93.85 89.92,92.84 J10.4 ; v1(43.69,11.68) 43.69,9.14 41.02,6.48 41.02,3.05 41.27,2.79 SW5.3 ; v1(32.38,29.72) v1(43.69,29.72) ; v1(23.62,48.39) v1(23.62,39.75) ; v1(40.89,100.84) v1(37.21,100.84)
LCD_BL: length 97.3
  TOP w0.203: J12.42 24.89,44.58 28.32,48.01 28.32,77.85 29.08,78.61 v1(33.02,78.61) ; v1(41.53,97.66) 40.77,96.9 v1(40.77,78.61) 40.77,72.39 41.01,72.15 U21.76 ; J15.23 44.58,113.16 v1(44.58,105.16)
  BOTTOM w0.203: v1(44.58,105.16) 41.53,102.11 v1(41.53,97.66) ; v1(40.77,78.61) v1(33.02,78.61)
LED0: length 134.9
  TOP w0.203: v1(95.76,75.18) v1(91.95,75.18) ; v1(97.41,75.18) 98.07,74.52 98.07,72.04 99.44,70.67 v1(99.44,55.12) ; v1(95.12,42.55) 98.3,39.37 98.3,30.86 96.27,28.83 96.27,22.1 90.81,16.64 84.84,16.64 78.49,10.29 78.49,2.41 77.6,1.52 77.6,1.4 ; v1(68.58,65.41) 67.84,66.15 U21.21
  BOTTOM w0.203: v1(91.95,75.18) 90.81,75.18 89.53,73.91 88.52,73.91 87.38,75.06 J10.17 75.69,75.06 73.91,76.83 71.5,76.83 70.99,76.33 70.99,72.26 68.58,69.85 v1(68.58,65.41) ; v1(95.12,42.55) 95.12,47.5 99.43,51.8 99.43,54.65 99.44,54.66 v1(99.44,55.12) ; v1(97.41,75.18) v1(95.76,75.18)
LED1: length 149.8
  TOP w0.203: v1(90.42,45.97) v1(94.49,45.97) ; v1(97.41,74.42) 97.41,72.17 98.81,70.77 v1(98.81,55.12) ; U21.22 68.1,66.65 v1(69.34,65.41) ; 74.04,1.4 74.04,1.52 74.8,2.29 74.8,7.11 84.84,17.14 89.66,17.14 90.42,17.91 90.42,19.3 91.06,19.94 93.09,19.94 93.98,20.83 93.98,27.18 97.54,30.73 v1(97.54,33.66) ; v1(95.76,74.42) 94.49,74.42 92.58,72.52 J10.20 ; v1(90.42,52.07) v1(90.42,50.16)
  BOTTOM w0.203: v1(90.42,50.16) v1(90.42,45.97) ; v1(97.54,33.66) 97.54,39.13 94.49,42.17 v1(94.49,45.97) 94.49,47.74 98.81,52.06 v1(98.81,55.12) ; v1(69.34,65.41) 69.47,65.28 84.96,65.28 85.72,66.04 87,66.04 87.63,65.41 87.63,64.52 88.52,63.63 89.79,63.63 90.42,62.99 v1(90.42,52.07) ; v1(95.76,74.42) v1(97.41,74.42)
LINK_LED: length 46
  TOP w0.203: U20.3 73.02,29.97 77.85,34.8 77.85,41.4 80.01,43.56 92.96,43.56 95.76,46.35 99.95,46.35 103.76,42.55 105.97,42.55 J9.12
NRF_CE: length 48.8
  TOP w0.203: v1(32,54.74) 31.98,54.76 31.98,62.12 34.51,64.65 U21.91
  BOTTOM w0.203: U17.3 9.02,55.75 19.56,55.75 J12.34 v1(32,54.74)
NRF_CS: length 52.4
  TOP w0.203: v1(32.51,53.72) 32.48,53.75 32.48,61.91 34.72,64.15 U21.92
  BOTTOM w0.203: J12.33 19.05,53.72 v1(32.51,53.72)
  BOTTOM w0.254: 1.65,60.58 2.92,59.31 4.83,59.31 9.4,54.74 J12.33
NRF_IRQ: length 71.4
  TOP w0.203: v1(33.02,57.28) 33.02,61.74 34.92,63.65 U21.93 ; 14.35,58.55 11.43,55.63
  TOP w0.254: 11.43,55.63 11.43,51.18 10.28,50.03 U13.2 U13.3 ; J12.32 19.3,58.55 14.35,58.55
  BOTTOM w0.203: v1(33.02,57.28) J12.32 19.68,57.28 18.67,58.29 8.64,58.29 7.75,59.18 7.75,66.17 5.97,67.94 R26.1
NRST: length 190.1
  TOP w0.203: v1(55.12,60.71) 54.74,61.09 v1(54.74,65.41) ; v1(55.37,50.29) 52.7,47.62 v1(47.37,47.62) ; v1(33.66,40.64) 33.66,11.3 v1(32.64,10.29) 32.51,10.29 32.51,10.28 U24.7 ; J15.5 70.36,116.08 72.01,116.08 72.64,115.44 72.64,113.92 73.41,113.16 74.55,113.16 75.18,112.52 75.18,111.25 72.64,108.71 72.64,75.56 71.25,74.17 61.98,74.17 61.34,73.53 v1(61.34,69.22) 62.41,68.15 U21.25